# Altium PCB drac_v3.PcbDoc (part 3 of 5)
Units mm, origin at the board's own origin, x right, y up, seen from the top; angles counter-clockwise.
Board outline 160 x 227.5 mm, 6 copper layers (Top Layer, Mid Layer 1_gnd, Mid Layer 2, Mid Layer 3, Mid Layer 4_gnd, Bottom Layer), stack 1.597 mm thick; 492 components, 264 nets, 1625 pads, 1112 vias.
Unrouted connection lines stored in the file: 68.
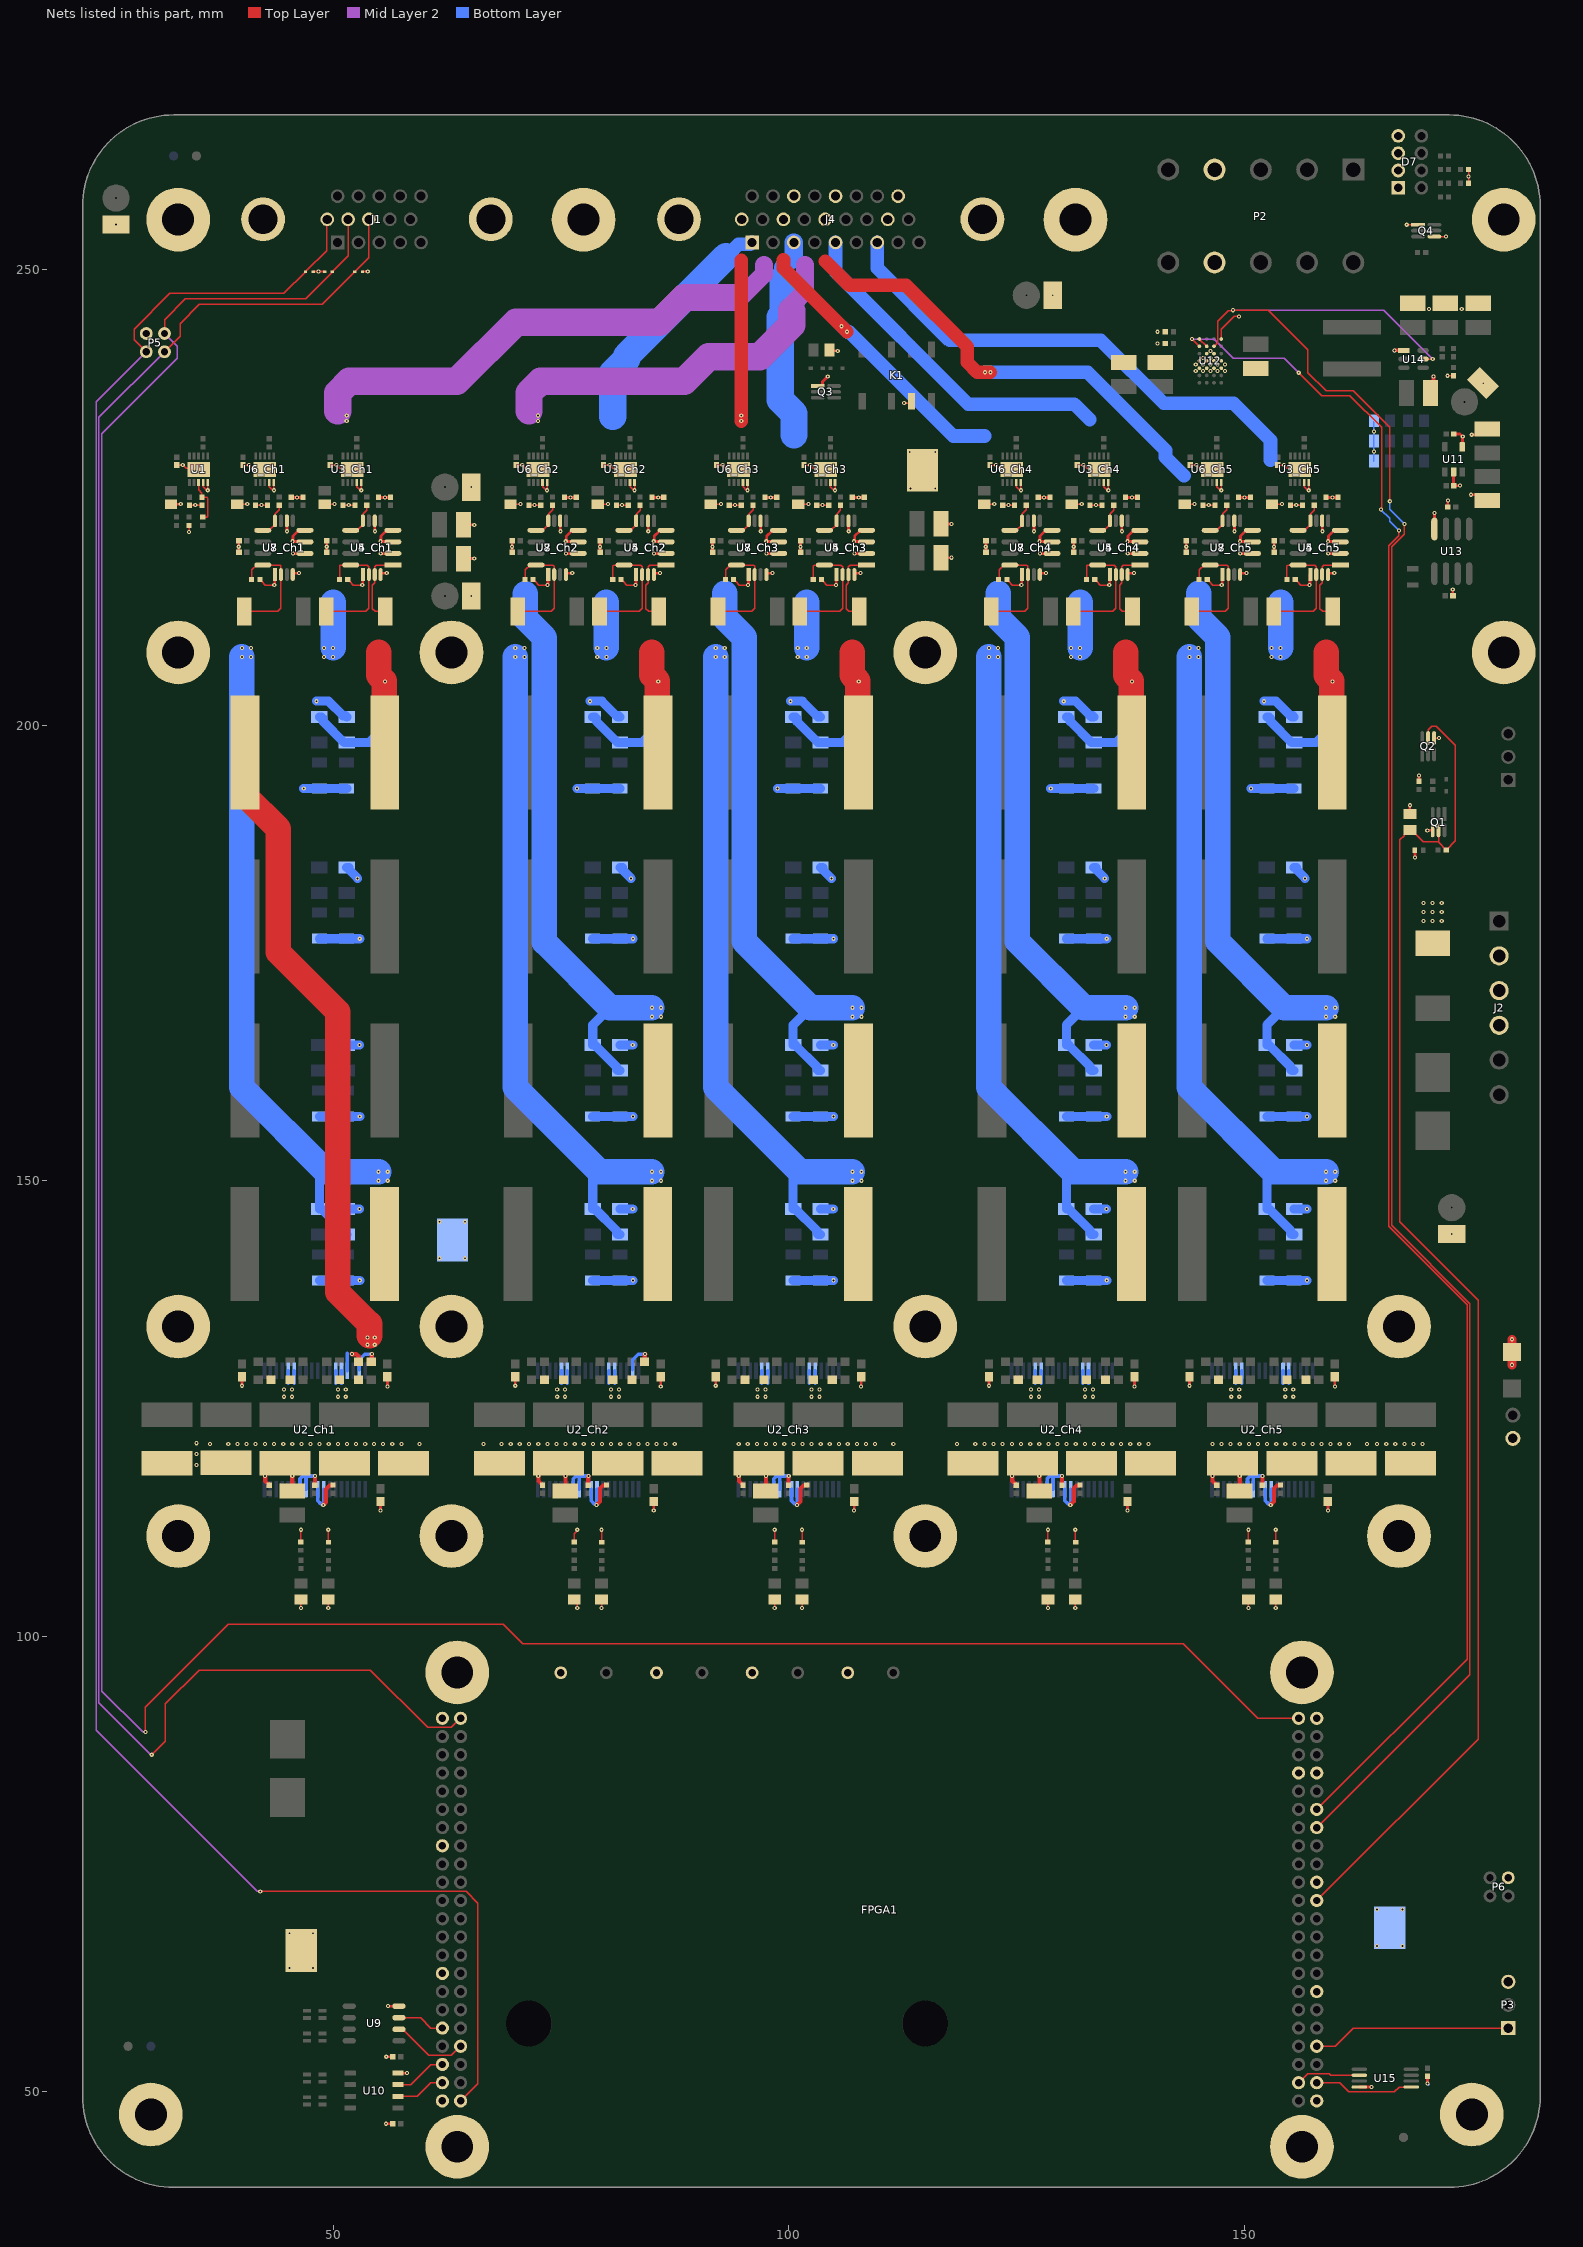
[diagram p7: the nets of this part, all layers, seen from the top]

## Via types
v1: diameter 0.457, hole 0.203, Top Layer to Bottom Layer, tented both sides, 1112 vias

## Nets (pads, with @x,y where several pads share a name; then routed paths per layer and width w, separated by ;. In a path a pad name is that pad's centre, name@x,y a point inside that pad or via, vN(x,y) a via of type N, cw(c..) or ccw(c..) an arc to the next point about the centre after c; other vN are vias at no path point) (continued)
BRAKE2: J4.21 R3_Ch1.2 R18_Ch1.2 U4_Ch1.2 U5_Ch1.8 | length 74.6
  Top Layer w0.152: R3_Ch1.2@49.25,212.5 53.6,212.5 53.925,212.825 U4_Ch1.2@53.925,216.55 53.925,217.425 53.755,217.595 U5_Ch1.8@51.936,217.595 51.932,217.59 50.799,217.59 50.71,217.501 R18_Ch1.2@50.71,216
  Mid Layer 2 w0.25: J4.21@100.386,258.08 J4.21@100.58,258.08
  Mid Layer 2 w2: 94.161,246.95 94.729,246.95 97.3,249.521 97.3,250.5
  Mid Layer 2 w3: 50.5,234.5 50.5,236.475 51.775,237.75 63.583,237.75 70.083,244.25 85.861,244.25 88.561,246.95 94.161,246.95
  Bottom Layer w2.8: v1(50,208.5) 50,213.5
  other v1: 49,207.5 50,207.5 49,208.5 51.5,233.4 51.5,234
BRAKE3: C11_Ch2.2 C15_Ch2.1 J4.23 L3_Ch2.2 | length 104.5
  Top Layer w2.8: L3_Ch2.2@85.6,161.075 L3_Ch2.2@85.675,161
  Mid Layer 2 w0.25: J4.23@104.966,258.08 J4.23@105.16,258.08
  Mid Layer 2 w2: 100.35,245.5 100.35,246.143 101.8,247.593 101.8,250.5
  Mid Layer 2 w3: 71.5,234.5 71.5,236.475 72.775,237.75 88.554,237.75 91.254,240.45 96.854,240.45 100.35,243.946 100.35,245.5
  Bottom Layer w1: 80.399,169 78.5,167.101 C15_Ch2.1@78.5,164.9 78.75,164.9 81.1,162.55 81.1,162.25 81.25,162.1 C11_Ch2.2@81.5,162.1
  Bottom Layer w2.8: 71.073,214.46 71.073,211.76 73.2,209.633 73.2,176.199 80.399,169 v1(85,169)
  other v1: 85,168 86,168 86,169 72.5,233.4 72.5,234
COIL1_N2: J4.1 R3_Ch2.2 R18_Ch2.2 U4_Ch2.2 U5_Ch2.8 | length 45.5
  Top Layer w0.152: R3_Ch2.2@79.25,212.5 83.6,212.5 83.925,212.825 U4_Ch2.2@83.925,216.55 83.925,217.425 83.755,217.595 U5_Ch2.8@81.936,217.595 81.932,217.59 80.799,217.59 80.71,217.501 R18_Ch2.2@80.71,216
  Bottom Layer w1.5: 93.127,251.423 94.501,252.798 95.798,252.798 J4.1@96,253 J4.1@95.925,253
  Bottom Layer w2.8: v1(80,208.5) 80,213.5
  Bottom Layer w3: 80.7,233.9 80.7,238.7 82.25,240.25 82.25,240.546 93.127,251.423
  other v1: 79,207.5 80,207.5 79,208.5
COIL1_N3: J4.3 R3_Ch3.2 R18_Ch3.2 U4_Ch3.2 U5_Ch3.8 | length 41.6
  Top Layer w0.152: R3_Ch3.2@101.25,212.5 105.6,212.5 105.925,212.825 U4_Ch3.2@105.925,216.55 105.925,217.425 105.755,217.595 U5_Ch3.8@103.936,217.595 103.932,217.59 102.799,217.59 102.71,217.501 R18_Ch3.2@102.71,216
  Bottom Layer w2: 99.41,249 99.41,250.262 100.58,251.432 J4.3@100.58,253
  Bottom Layer w2.8: v1(102,208.5) 102,213.5
  Bottom Layer w3: 99.41,249 99.41,245.143 99.071,244.805 99.071,235.729 100.6,234.2 100.6,231.9
  other v1: 101,207.5 102,207.5 101,208.5
COIL1_N4: J4.5 R3_Ch4.2 R18_Ch4.2 U4_Ch4.2 U5_Ch4.8 | length 57.1
  Top Layer w0.152: R3_Ch4.2@131.25,212.5 135.6,212.5 135.925,212.825 U4_Ch4.2@135.925,216.55 135.925,217.425 135.755,217.595 U5_Ch4.8@133.936,217.595 133.932,217.59 132.799,217.59 132.71,217.501 R18_Ch4.2@132.71,216
  Bottom Layer w1.5: J4.5@105.16,253 105.16,249.815 119.725,235.25 131.376,235.25 133.063,233.563
  Bottom Layer w2.8: v1(132,208.5) 132,213.5
  other v1: 131,207.5 132,207.5 131,208.5
COIL1_N5: J4.7 R3_Ch5.2 R18_Ch5.2 U4_Ch5.2 U5_Ch5.8 | length 75.2
  Top Layer w0.152: R3_Ch5.2@153.25,212.5 157.6,212.5 157.925,212.825 U4_Ch5.2@157.925,216.55 157.925,217.425 157.755,217.595 U5_Ch5.8@155.936,217.595 155.932,217.59 154.799,217.59 154.71,217.501 R18_Ch5.2@154.71,216
  Bottom Layer w1.5: J4.7@109.74,253 109.74,250.185 117.675,242.25 134.275,242.25 141.175,235.35 148.846,235.35 152.9,231.296 152.9,229.1
  Bottom Layer w2.8: v1(154,208.5) 154,213.5
  other v1: 153,207.5 154,207.5 153,208.5
COIL2_N3: C11_Ch3.2 C15_Ch3.1 J4.10 L3_Ch3.2 | length 81
  Top Layer w1.5: v1(94.8,233.4) 94.8,251.04
  Top Layer w2.8: L3_Ch3.2@107.6,161.075 L3_Ch3.2@107.675,161
  Bottom Layer w1: 102.399,169 100.5,167.101 C15_Ch3.1@100.5,164.9 100.75,164.9 103.1,162.55 103.1,162.25 103.25,162.1 C11_Ch3.2@103.5,162.1
  Bottom Layer w2.8: 93,214.5 93,211.801 95.127,209.674 95.127,176.272 102.399,169 v1(107,169)
  other v1: 107,168 108,168 108,169 94.8,234
COIL2_N4: C11_Ch4.2 C15_Ch4.1 J4.12 L3_Ch4.2 | length 94.8
  Top Layer w1.5: 99.44,251.1 99.44,250.16 v1(105.8,243.8) v1(106.4,243.2)
  Top Layer w2.8: L3_Ch4.2@137.6,161.075 L3_Ch4.2@137.675,161
  Bottom Layer w1: 132.399,169 130.5,167.101 C15_Ch4.1@130.5,164.9 130.75,164.9 133.1,162.55 133.1,162.25 133.25,162.1 C11_Ch4.2@133.5,162.1
  Bottom Layer w1.5: v1(105.8,243.8) v1(106.4,243.2) 106.625,243.2 118.075,231.75 121.5,231.75
  Bottom Layer w2.8: 123,214.5 123,211.801 125.127,209.674 125.127,176.272 132.399,169 v1(137,169)
  other v1: 137,168 138,168 138,169
COIL2_N5: C11_Ch5.2 C15_Ch5.1 J4.14 L3_Ch5.2 | length 114.5
  Top Layer w1.5: 104.02,250.954 106.687,248.288 112.889,248.288 119.609,241.568 119.609,239.841 120.7,238.75 v1(121.55,238.75) v1(122.15,238.75)
  Top Layer w2.8: L3_Ch5.2@159.6,161.075 L3_Ch5.2@159.675,161
  Bottom Layer w1: 154.399,169 152.5,167.101 C15_Ch5.1@152.5,164.9 152.75,164.9 155.1,162.55 155.1,162.25 155.25,162.1 C11_Ch5.2@155.5,162.1
  Bottom Layer w1.5: v1(121.55,238.75) v1(122.15,238.75) 132.825,238.75 141.375,230.2 141.375,229.425 143.4,227.4
  Bottom Layer w2.8: 145,214.5 145,211.801 147.127,209.674 147.127,176.272 154.399,169 v1(159,169)
  other v1: 159,168 160,168 160,169
dSIB_INT: D9.1 FPGA1.88 J1.8 P5.4 | length 234.4
  Top Layer w0.152: v1(30.1,87) 31.6,88.5 31.6,92.6 35.3,96.3 54.1,96.3 60.4,90 63,90 FPGA1.88@64,91 ; P5.4@31.5,241 33.2,242.7 33.2,244.1 35.3,246.2 48.8,246.2 D9.1@52.39,249.79 ; D9.1@52.4,249.78 53.94,251.32 J1.8@53.94,255.54
  Mid Layer 2 w0.152: v1(30.1,87) 30,87 24.305,92.695 24.305,233.805 P5.4@31.5,241
dSIB_RX: D10.1 FPGA1.43 J1.7 P5.3 | length 325.7
  Top Layer w0.152: v1(29.4,89.5) 29.4,92.2 38.5,101.3 68.7,101.3 70.8,99.2 143.3,99.2 151.5,91 FPGA1.43@155.98,91 ; P5.3@31.5,243 31.5,244.5 33.8,246.8 47,246.8 D10.1@49.987,249.787 ; D10.1@49.92,249.8 49.975,249.8 50.024,249.849 50.024,249.904 51.65,251.53 J1.7@51.65,255.54
  Mid Layer 2 w0.152: v1(29.4,89.5) 29.1,89.5 24.61,93.99 24.61,232.01 32.9,240.3 32.9,241.6 P5.3@31.5,243
dSIB_TX: D11.1 FPGA1.46 J1.6 P5.2 | length 257
  Top Layer w0.152: P5.2@29.5,241 28.2,242.3 28.2,243.5 32.1,247.4 44.6,247.4 D11.1@47,249.8 ; v1(42,72) 64.6,72 65.9,70.7 65.9,50.9 FPGA1.46@64,49 ; D11.1@46.98,249.8 47.035,249.8 47.084,249.849 47.084,249.904 49.28,252.1 49.28,255.46 J1.6@49.36,255.54
  Mid Layer 2 w0.152: P5.2@29.5,241 24,235.5 24,89.7 41.7,72 v1(42,72)
ESPM_POWER_EN: FPGA1.32 U12.B3 U14.5 | length 219.8
  Top Layer w0.14: 147.1,242 147.1,242.7
  Top Layer w0.152: U12.B3@146.7,241.6 147.1,242 ; 147.1,242.7 147.1,244.357 148.239,245.496 148.696,245.496 v1(148.768,245.567) 152.633,245.567 157,241.2 157,238.7 159,236.7 162,236.7 166,232.7 v1(166,224.6) ; FPGA1.32@157.98,79 174.786,95.806 174.786,136.521 166.186,145.121 166.186,219.586 167.597,220.997 v1(167.597,222.1) ; U14.5@169.65,240.2 v1(170.706,240.2)
  Mid Layer 2 w0.152: v1(148.768,245.567) 165.338,245.567 v1(170.706,240.2)
  Bottom Layer w0.152: v1(166,224.6) 166,223.697 v1(167.597,222.1)
ESPM_POWER_GOOD: FPGA1.34 U12.B1 | length 189.4
  Top Layer w0.152: v1(144.3,242.4) U12.B1@145.1,241.6 ; v1(156,238.7) 158.5,236.2 161.625,236.2 165.125,232.7 165.125,223.764 165.036,223.675 v1(165.025,223.675) ; FPGA1.34@157.98,81 174.481,97.501 174.481,136.395 165.881,144.995 165.881,219.712 167,220.831 v1(167,221.4)
  Mid Layer 2 w0.152: v1(144.3,242.4) 146.7,242.4 148.8,240.3 154.4,240.3 v1(156,238.7)
  Bottom Layer w0.152: v1(165.025,223.675) 165.978,222.722 165.978,222.422 v1(167,221.4)
FRONT_PANEL_LED: FPGA1.8 P3.1 | length 21.8
  Top Layer w0.152: FPGA1.8@157.98,55 160,55 162,57 P3.1@179,57
GND: C1.2 C2.2 C3.2 C4.2 C9_Ch1.1 C9_Ch2.1 C9_Ch3.1 C9_Ch4.1 C9_Ch5.1 C10_Ch1.1 C10_Ch2.1 C10_Ch3.1 C10_Ch4.1 C10_Ch5.1 C11_Ch1.1 C11_Ch2.1 C11_Ch3.1 C11_Ch4.1 C11_Ch5.1 C12_Ch1.1 C12_Ch2.1 C12_Ch3.1 C12_Ch4.1 C12_Ch5.1 C17_Ch1.2 C17_Ch2.2 C17_Ch3.2 C17_Ch4.2 C17_Ch5.2 C18_Ch1.2 C18_Ch2.2 C18_Ch3.2 C18_Ch4.2 C18_Ch5.2 C19_Ch1.2 C19_Ch2.2 C19_Ch3.2 C19_Ch4.2 C19_Ch5.2 C20_Ch1.2 C20_Ch2.2 C20_Ch3.2 C20_Ch4.2 C20_Ch5.2 C21_Ch1.2 C21_Ch2.2 C21_Ch3.2 C21_Ch4.2 C21_Ch5.2 C22_Ch1.2 C22_Ch2.2 C22_Ch3.2 C22_Ch4.2 C22_Ch5.2 C23_Ch1.2 C23_Ch2.2 C23_Ch3.2 C23_Ch4.2 C23_Ch5.2 C24_Ch1.2 C24_Ch2.2 C24_Ch3.2 C24_Ch4.2 C24_Ch5.2 C25_Ch1.2 C25_Ch2.2 C25_Ch3.2 C25_Ch4.2 C25_Ch5.2 C26_Ch1.2 C26_Ch2.2 C26_Ch3.2 C26_Ch4.2 C26_Ch5.2 C27_Ch1.2 C27_Ch2.2 C27_Ch3.2 C27_Ch4.2 C27_Ch5.2 C28_Ch1.2 C28_Ch2.2 C28_Ch3.2 C28_Ch4.2 C28_Ch5.2 C29_Ch1.2 C29_Ch2.2 C29_Ch3.2 C29_Ch4.2 C29_Ch5.2 C30_Ch1.2 C30_Ch2.2 C30_Ch3.2 C30_Ch4.2 C30_Ch5.2 C31_Ch1.2 C31_Ch2.2 C31_Ch3.2 C31_Ch4.2 C31_Ch5.2 C32_Ch1.2 C32_Ch2.2 C32_Ch3.2 C32_Ch4.2 C32_Ch5.2 C33_Ch1.2 C33_Ch2.2 C33_Ch3.2 C33_Ch4.2 C33_Ch5.2 C34_Ch1.2 C34_Ch2.2 C34_Ch3.2 C34_Ch4.2 C34_Ch5.2 C35_Ch1.2 C35_Ch2.2 C35_Ch3.2 C35_Ch4.2 C35_Ch5.2 C36_Ch1.2 C36_Ch2.2 C36_Ch3.2 C36_Ch4.2 C36_Ch5.2 C37_Ch1.2 C37_Ch2.2 C37_Ch3.2 C37_Ch4.2 C37_Ch5.2 C38_Ch1.2 C38_Ch2.2 C38_Ch3.2 C38_Ch4.2 C38_Ch5.2 C39_Ch1.2 C39_Ch2.2 C39_Ch3.2 C39_Ch4.2 C39_Ch5.2 C40_Ch1.2 C40_Ch2.2 C40_Ch3.2 C40_Ch4.2 C40_Ch5.2 C41_Ch1.2 C41_Ch2.2 C41_Ch3.2 C41_Ch4.2 C41_Ch5.2 C42_Ch1.2 C42_Ch2.2 C42_Ch3.2 C42_Ch4.2 C42_Ch5.2 C43_Ch1.2 C43_Ch2.2 C43_Ch3.2 C43_Ch4.2 C43_Ch5.2 C44_Ch1.2 C44_Ch2.2 C44_Ch3.2 C44_Ch4.2 C44_Ch5.2 C45.1 C46.1 C47.2 C48.2 C49.2 C50.2 C51.2 C52.2 C53.2 C54.2 C55.1 C56.1 C57.2 C58.1 C59.1 C61.2 C62.2 C63.2 C64.2 C65.2 C66.2 C67.2 C68.2 C69.2 C70.2 C71.2 C72.2 C73.2 C74.2 C75.2 C76.2 C77.2 C78.2 C80.2 D1_Ch1.2 D1_Ch2.2 D1_Ch3.2 D1_Ch4.2 D1_Ch5.2 D2_Ch1.2 D2_Ch2.2 D2_Ch3.2 D2_Ch4.2 D2_Ch5.2 D3.2 D4.2 D7.1 D7.3 D7.5 D7.7 D9.2 D10.2 D11.2 D12.2 FPGA1.2 FPGA1.14 FPGA1.26 FPGA1.37 FPGA1.38 FPGA1.44 FPGA1.45 FPGA1.59 FPGA1.73 FPGA1.87 J1.M1 J1.M2 J2.2 J2.3 J2.4 J3.2 J4.17 J4.26 J4.M1 J4.M2 K1.3 P2.4 P2.9 P3.3 P5.1 P6.1 pad.1@30,47.5 pad.1@33,111 pad.1@33,134 pad.1@33,208 pad.1@33,255.5 pad.1@63,111 pad.1@63,134 pad.1@63,208 pad.1@63.635,43.965 pad.1@63.635,96.035 pad.1@77.5,255.5 pad.1@115,111 pad.1@115,134 pad.1@115,208 pad.1@131.5,255.5 pad.1@156.345,43.965 pad.1@156.345,96.035 pad.1@167,111 pad.1@167,134 pad.1@175,47.5 pad.1@178.5,208 pad.1@178.5,255.5 Q1.4 Q2.4 Q3.1 Q4.1 Q4.4 R5_Ch1.2 R5_Ch2.2 R5_Ch3.2 R5_Ch4.2 R5_Ch5.2 R6_Ch1.1 R6_Ch2.1 R6_Ch3.1 R6_Ch4.1 R6_Ch5.1 R7_Ch1.1 R7_Ch2.1 R7_Ch3.1 R7_Ch4.1 R7_Ch5.1 R10_Ch1.1 R10_Ch2.1 R10_Ch3.1 R10_Ch4.1 R10_Ch5.1 R11_Ch1.1 R11_Ch2.1 R11_Ch3.1 R11_Ch4.1 R11_Ch5.1 R12_Ch1.1 R12_Ch2.1 R12_Ch3.1 R12_Ch4.1 R12_Ch5.1 R13_Ch1.1 R13_Ch2.1 R13_Ch3.1 R13_Ch4.1 R13_Ch5.1 R14_Ch1.1 R14_Ch2.1 R14_Ch3.1 R14_Ch4.1 R14_Ch5.1 R15_Ch1.1 R15_Ch2.1 R15_Ch3.1 R15_Ch4.1 R15_Ch5.1 R16_Ch1.1 R16_Ch2.1 R16_Ch3.1 R16_Ch4.1 R16_Ch5.1 R17_Ch1.1 R17_Ch2.1 R17_Ch3.1 R17_Ch4.1 R17_Ch5.1 R18_Ch1.1 R18_Ch2.1 R18_Ch3.1 R18_Ch4.1 R18_Ch5.1 R19_Ch1.1 R19_Ch2.1 R19_Ch3.1 R19_Ch4.1 R19_Ch5.1 R25.1 R26.1 R27.2 R29.1 R31.1 R34.1 R38.1 R42.1 R43.1 R44.1 R46.1 R47.1 TP1.2 TP2.2 TP3.2 TP4.2 TP5.2 TP6.2 TP7.1 TP8.1 TP9.1 TP10.1 U1.4 U1.5 U1.11 U2_Ch1.8 U2_Ch1.9 U2_Ch1.11 U2_Ch1.12 U2_Ch1.23 U2_Ch1.24 U2_Ch1.31 U2_Ch1.32 U2_Ch2.8 U2_Ch2.9 U2_Ch2.11 U2_Ch2.12 U2_Ch2.23 U2_Ch2.24 U2_Ch2.31 U2_Ch2.32 U2_Ch3.8 U2_Ch3.9 U2_Ch3.11 U2_Ch3.12 U2_Ch3.23 U2_Ch3.24 U2_Ch3.31 U2_Ch3.32 U2_Ch4.8 U2_Ch4.9 U2_Ch4.11 U2_Ch4.12 U2_Ch4.23 U2_Ch4.24 U2_Ch4.31 U2_Ch4.32 U2_Ch5.8 U2_Ch5.9 U2_Ch5.11 U2_Ch5.12 U2_Ch5.23 U2_Ch5.24 U2_Ch5.31 U2_Ch5.32 U3_Ch1.4 U3_Ch1.5 U3_Ch1.11 U3_Ch2.4 U3_Ch2.5 U3_Ch2.11 U3_Ch3.4 U3_Ch3.5 U3_Ch3.11 U3_Ch4.4 U3_Ch4.5 U3_Ch4.11 U3_Ch5.4 U3_Ch5.5 U3_Ch5.11 U4_Ch1.1 U4_Ch1.4 U4_Ch1.6 U4_Ch2.1 U4_Ch2.4 U4_Ch2.6 U4_Ch3.1 U4_Ch3.4 U4_Ch3.6 U4_Ch4.1 U4_Ch4.4 U4_Ch4.6 U4_Ch5.1 U4_Ch5.4 U4_Ch5.6 U5_Ch1.2 U5_Ch1.3 U5_Ch1.4 U5_Ch2.2 U5_Ch2.3 U5_Ch2.4 U5_Ch3.2 U5_Ch3.3 U5_Ch3.4 U5_Ch4.2 U5_Ch4.3 U5_Ch4.4 U5_Ch5.2 U5_Ch5.3 U5_Ch5.4 U6_Ch1.4 U6_Ch1.5 U6_Ch1.11 U6_Ch2.4 U6_Ch2.5 U6_Ch2.11 U6_Ch3.4 U6_Ch3.5 U6_Ch3.11 U6_Ch4.4 U6_Ch4.5 U6_Ch4.11 U6_Ch5.4 U6_Ch5.5 U6_Ch5.11 U7_Ch1.1 U7_Ch1.4 U7_Ch1.6 U7_Ch2.1 U7_Ch2.4 U7_Ch2.6 U7_Ch3.1 U7_Ch3.4 U7_Ch3.6 U7_Ch4.1 U7_Ch4.4 U7_Ch4.6 U7_Ch5.1 U7_Ch5.4 U7_Ch5.6 U8_Ch1.2 U8_Ch1.3 U8_Ch1.4 U8_Ch2.2 U8_Ch2.3 U8_Ch2.4 U8_Ch3.2 U8_Ch3.3 U8_Ch3.4 U8_Ch4.2 U8_Ch4.3 U8_Ch4.4 U8_Ch5.2 U8_Ch5.3 U8_Ch5.4 U9.4 U10.4 U11.2 U11.4 U12.A1 U12.A4 U12.B2 U12.C2 U12.C3 U12.D1 U12.D2 U12.D3 U12.D4 U12.E1 U12.E2 U12.E3 U12.E4 U13.4 U14.1 U15.4 | length 530.2
  Top Layer w0.152: C1.2@32.837,228.571 v1(33.508,228.571) 33.858,228.222 35.115,228.222 U1.11@35.237,228.1 ; v1(34.2,221.2) R25.1@34.2,221.948 ; C2.2@34.237,224.171 v1(34.871,224.171) C3.2@35.6,224.171 ; U1.4@35.737,226.698 35.737,226.179 36.116,225.8 v1(36.237,225.8) U1.5@36.237,226.698 ; C41_Ch1.2@39.47,224.274 v1(40.574,224.274) ; C36_Ch1.2@40.1,228.571 v1(40.771,228.571) 41.121,228.222 42.378,228.222 U6_Ch1.11@42.5,228.1 ; C37_Ch1.2@41.5,224.171 v1(42.129,224.171) C40_Ch1.2@42.8,224.171 ; R19_Ch1.1@41.964,216 R19_Ch1.1@41.964,216 42.175,215.787 42.177,215.787 42.564,215.4 v1(43.55,215.4) ; U6_Ch1.4@43,226.698 43,226.179 43.379,225.8 v1(43.5,225.8) U6_Ch1.5@43.5,226.698 ; v1(46.475,103.102) R7_Ch1.1@46.475,104.026 ; D2_Ch1.2@46.475,110.352 v1(46.475,111.702) ; C27_Ch1.2@49.07,224.274 v1(50.174,224.274) ; v1(49.475,103.102) R6_Ch1.1@49.475,104.026 ; v1(49.475,111.702) 49.475,110.327 D1_Ch1.2@49.5,110.302 ; C19_Ch1.2@49.7,228.571 v1(50.371,228.571) 50.721,228.222 51.978,228.222 U3_Ch1.11@52.1,228.1 ; C20_Ch1.2@51.1,224.171 v1(51.729,224.171) C26_Ch1.2@52.4,224.171 ; R18_Ch1.1@51.614,216 R18_Ch1.1@51.614,216 51.825,215.787 51.827,215.787 52.214,215.4 v1(53.2,215.4) ; U3_Ch1.4@52.6,226.698 52.6,226.179 52.979,225.8 v1(53.1,225.8) U3_Ch1.5@53.1,226.698 ; C41_Ch2.2@69.47,224.274 v1(70.574,224.274) ; C36_Ch2.2@70.1,228.571 v1(70.771,228.571) 71.121,228.222 72.378,228.222 U6_Ch2.11@72.5,228.1 ; C37_Ch2.2@71.5,224.171 v1(72.129,224.171) C40_Ch2.2@72.8,224.171 ; R19_Ch2.1@71.964,216 R19_Ch2.1@71.964,216 72.175,215.787 72.177,215.787 72.564,215.4 v1(73.55,215.4) ; U6_Ch2.4@73,226.698 73,226.179 73.379,225.8 v1(73.5,225.8) U6_Ch2.5@73.5,226.698 ; R7_Ch2.1@76.475,104.026 76.803,103.698 v1(76.803,103.102) ; D2_Ch2.2@76.475,110.352 76.475,111.283 76.803,111.611 v1(76.803,111.702) ; C27_Ch2.2@79.07,224.274 v1(80.174,224.274) ; v1(79.475,103.102) R6_Ch2.1@79.475,104.026 ; v1(79.475,111.702) 79.475,110.327 D1_Ch2.2@79.5,110.302 ; C19_Ch2.2@79.7,228.571 v1(80.371,228.571) 80.721,228.222 81.978,228.222 U3_Ch2.11@82.1,228.1 ; C20_Ch2.2@81.1,224.171 v1(81.729,224.171) C26_Ch2.2@82.4,224.171 ; R18_Ch2.1@81.614,216 R18_Ch2.1@81.614,216 81.825,215.787 81.827,215.787 82.214,215.4 v1(83.2,215.4) ; U3_Ch2.4@82.6,226.698 82.6,226.179 82.979,225.8 v1(83.1,225.8) U3_Ch2.5@83.1,226.698 ; C41_Ch3.2@91.47,224.274 v1(92.574,224.274) ; C36_Ch3.2@92.1,228.571 v1(92.771,228.571) 93.121,228.222 94.378,228.222 U6_Ch3.11@94.5,228.1 ; C37_Ch3.2@93.5,224.171 v1(94.129,224.171) C40_Ch3.2@94.8,224.171 ; R19_Ch3.1@93.964,216 R19_Ch3.1@93.964,216 94.175,215.787 94.177,215.787 94.564,215.4 v1(95.55,215.4) ; U6_Ch3.4@95,226.698 95,226.179 95.379,225.8 v1(95.5,225.8) U6_Ch3.5@95.5,226.698 ; v1(98.475,103.102) R7_Ch3.1@98.475,104.026 ; D2_Ch3.2@98.475,110.352 v1(98.475,111.702) ; C27_Ch3.2@101.07,224.274 v1(102.174,224.274) ; v1(101.475,103.102) R6_Ch3.1@101.475,104.026 ; v1(101.475,111.702) 101.475,110.327 D1_Ch3.2@101.5,110.302 ; C19_Ch3.2@101.7,228.571 v1(102.371,228.571) 102.721,228.222 103.978,228.222 U3_Ch3.11@104.1,228.1 ; C20_Ch3.2@103.1,224.171 v1(103.729,224.171) C26_Ch3.2@104.4,224.171 ; R18_Ch3.1@103.614,216 R18_Ch3.1@103.614,216 103.825,215.787 103.827,215.787 104.214,215.4 v1(105.2,215.4) ; U3_Ch3.4@104.6,226.698 104.6,226.179 104.979,225.8 v1(105.1,225.8) U3_Ch3.5@105.1,226.698 ; v1(112.69,235.372) 113.322,235.372 K1.3@113.5,235.55 ; C41_Ch4.2@121.47,224.274 v1(122.574,224.274) ; C36_Ch4.2@122.1,228.571 v1(122.771,228.571) 123.121,228.222 124.378,228.222 U6_Ch4.11@124.5,228.1 ; C37_Ch4.2@123.5,224.171 v1(124.129,224.171) C40_Ch4.2@124.8,224.171 ; R19_Ch4.1@123.964,216 R19_Ch4.1@123.964,216 124.175,215.787 124.177,215.787 124.564,215.4 v1(125.55,215.4) ; U6_Ch4.4@125,226.698 125,226.179 125.379,225.8 v1(125.5,225.8) U6_Ch4.5@125.5,226.698 ; v1(128.475,103.102) R7_Ch4.1@128.475,104.026 ; D2_Ch4.2@128.475,110.352 v1(128.475,111.702) ; C27_Ch4.2@131.07,224.274 v1(132.174,224.274) ; v1(131.475,103.102) R6_Ch4.1@131.475,104.026 ; v1(131.475,111.702) 131.475,110.327 D1_Ch4.2@131.5,110.302 ; C19_Ch4.2@131.7,228.571 v1(132.371,228.571) 132.721,228.222 133.978,228.222 U3_Ch4.11@134.1,228.1 ; C20_Ch4.2@133.1,224.171 v1(133.729,224.171) C26_Ch4.2@134.4,224.171 ; R18_Ch4.1@133.614,216 R18_Ch4.1@133.614,216 133.825,215.787 133.827,215.787 134.214,215.4 v1(135.2,215.4) ; U3_Ch4.4@134.6,226.698 134.6,226.179 134.979,225.8 v1(135.1,225.8) U3_Ch4.5@135.1,226.698 ; C41_Ch5.2@143.47,224.274 v1(144.574,224.274) ; C36_Ch5.2@144.1,228.571 v1(144.771,228.571) 145.121,228.222 146.378,228.222 U6_Ch5.11@146.5,228.1 ; U12.A1@145.1,242.4 U12.B2@145.9,241.6 ; C37_Ch5.2@145.5,224.171 v1(146.129,224.171) C40_Ch5.2@146.8,224.171 ; R19_Ch5.1@145.964,216 R19_Ch5.1@145.964,216 146.175,215.787 146.177,215.787 146.564,215.4 v1(147.55,215.4) ; U6_Ch5.4@147,226.698 147,226.179 147.379,225.8 v1(147.5,225.8) U6_Ch5.5@147.5,226.698 ; U12.A4@147.5,242.4 147.5,243.487 148.895,244.881 v1(149.428,244.881) ; v1(150.475,103.102) R7_Ch5.1@150.475,104.026 ; D2_Ch5.2@150.475,110.352 v1(150.475,111.702) ; C27_Ch5.2@153.07,224.274 v1(154.174,224.274) ; v1(153.475,103.102) R6_Ch5.1@153.475,104.026 ; v1(153.475,111.702) 153.475,110.327 D1_Ch5.2@153.5,110.302 ; C19_Ch5.2@153.7,228.571 v1(154.371,228.571) 154.721,228.222 155.978,228.222 U3_Ch5.11@156.1,228.1 ; C20_Ch5.2@155.1,224.171 v1(155.729,224.171) C26_Ch5.2@156.4,224.171 ; R18_Ch5.1@155.614,216 R18_Ch5.1@155.614,216 155.825,215.787 155.827,215.787 156.214,215.4 v1(157.2,215.4) ; U3_Ch5.4@156.6,226.698 156.6,226.179 156.979,225.8 v1(157.1,225.8) U3_Ch5.5@157.1,226.698 ; v1(167.85,254.95) Q4.1@169.099,254.95 ; Q2.4@170.85,198.601 v1(171.399,198.601) ; Q4.4@170.901,253.65 v1(172.15,253.65) ; v1(172.326,238.374) R29.1@173,238.374 ; R47.1@174.652,259.5 R46.1@174.652,261
  Top Layer w0.2: D11.2@47.82,249.8 v1(48.4,249.8) D10.2@49.08,249.8 ; D9.2@53.22,249.8 v1(53.8,249.8)
  Top Layer w0.3: C4.2@32.207,224.274 v1(33.274,224.274) ; C35_Ch1.2@39.671,219 39.661,219.011 39.661,219.589 v1(39.65,219.6) 39.661,219.611 39.661,220.239 C34_Ch1.2@39.671,220.25 ; v1(40,127.5) C21_Ch1.2@40,128.498 ; v1(43.55,215.4) 43.596,215.446 43.596,216.521 U7_Ch1.1@43.625,216.55 ; U7_Ch1.6@44.925,222.45 44.937,222.438 44.937,221.312 v1(44.95,221.3) ; C42_Ch1.2@45.35,225.029 45.379,225 v1(46.05,225) 46.064,225.014 C33_Ch1.2@46.7,225.014 ; U7_Ch1.4@45.575,216.55 45.575,216.631 45.644,216.7 v1(46.25,216.7) ; v1(45.585,218.865) U8_Ch1.2@46.914,218.865 ; U8_Ch1.3@46.914,220.135 46.881,220.167 45.582,220.167 v1(45.55,220.2) 45.607,220.257 45.607,220.762 46.171,221.326 46.835,221.326 U8_Ch1.4@46.914,221.405 ; C44_Ch1.2@49.321,219 49.311,219.011 49.311,219.589 v1(49.3,219.6) 49.311,219.611 49.311,220.239 C43_Ch1.2@49.321,220.25 ; v1(53.2,215.4) 53.246,215.446 53.246,216.521 U4_Ch1.1@53.275,216.55 ; U4_Ch1.6@54.575,222.45 54.588,222.438 54.588,221.312 v1(54.6,221.3) ; C28_Ch1.2@55,225.029 55.014,225.014 55.686,225.014 v1(55.7,225) 55.714,225.014 56.286,225.014 C18_Ch1.2@56.3,225.029 ; v1(55.2,113.8) C23_Ch1.2@55.2,114.798 ; U4_Ch1.4@55.225,216.55 55.225,216.631 55.294,216.7 v1(55.9,216.7) ; v1(55.235,218.865) U5_Ch1.2@56.564,218.865 ; v1(55.8,46.5) C46.1@56.571,46.5 ; v1(55.843,53.843) C45.1@56.571,53.843 ; v1(55.964,127.436) C22_Ch1.2@55.964,128.498 ; v1(56.045,59.405) U9.4@57.225,59.405 ; U5_Ch1.3@56.564,220.135 56.531,220.167 55.232,220.167 v1(55.2,220.2) 55.257,220.257 55.257,220.762 55.821,221.326 56.485,221.326 U5_Ch1.4@56.564,221.405 ; U10.4@57.125,52.048 v1(58.127,52.048) ; C49.2@64.325,218.3 v1(65.5,218.3) ; C50.2@64.325,222 v1(65.5,222) ; C35_Ch2.2@69.671,219 69.661,219.011 69.661,219.589 v1(69.65,219.6) 69.661,219.611 69.661,220.239 C34_Ch2.2@69.671,220.25 ; v1(70,127.5) C21_Ch2.2@70,128.498 ; v1(73.55,215.4) 73.596,215.446 73.596,216.521 U7_Ch2.1@73.625,216.55 ; U7_Ch2.6@74.925,222.45 74.937,222.438 74.937,221.312 v1(74.95,221.3) ; C42_Ch2.2@75.35,225.029 75.379,225 v1(76.05,225) 76.064,225.014 C33_Ch2.2@76.7,225.014 ; U7_Ch2.4@75.575,216.55 75.575,216.631 75.644,216.7 v1(76.25,216.7) ; v1(75.585,218.865) U8_Ch2.2@76.914,218.865 ; U8_Ch2.3@76.914,220.135 76.881,220.167 75.582,220.167 v1(75.55,220.2) 75.607,220.257 75.607,220.762 76.171,221.326 76.835,221.326 U8_Ch2.4@76.914,221.405 ; C44_Ch2.2@79.321,219 79.311,219.011 79.311,219.589 v1(79.3,219.6) 79.311,219.611 79.311,220.239 C43_Ch2.2@79.321,220.25 ; v1(83.2,215.4) 83.246,215.446 83.246,216.521 U4_Ch2.1@83.275,216.55 ; U4_Ch2.6@84.575,222.45 84.587,222.438 84.587,221.312 v1(84.6,221.3) ; C28_Ch2.2@85,225.029 85.014,225.014 85.686,225.014 v1(85.7,225) 85.714,225.014 86.286,225.014 C18_Ch2.2@86.3,225.029 ; v1(85.2,113.8) C23_Ch2.2@85.2,114.798 ; U4_Ch2.4@85.225,216.55 85.225,216.631 85.294,216.7 v1(85.9,216.7) ; v1(85.235,218.865) U5_Ch2.2@86.564,218.865 ; v1(85.964,127.436) C22_Ch2.2@85.964,128.498 ; U5_Ch2.3@86.564,220.135 86.531,220.167 85.232,220.167 v1(85.2,220.2) 85.257,220.257 85.257,220.762 85.821,221.326 86.485,221.326 U5_Ch2.4@86.564,221.405 ; C35_Ch3.2@91.671,219 91.661,219.011 91.661,219.589 v1(91.65,219.6) 91.661,219.611 91.661,220.239 C34_Ch3.2@91.671,220.25 ; v1(92,127.5) C21_Ch3.2@92,128.498 ; v1(95.55,215.4) 95.596,215.446 95.596,216.521 U7_Ch3.1@95.625,216.55 ; U7_Ch3.6@96.925,222.45 96.937,222.438 96.937,221.312 v1(96.95,221.3) ; C42_Ch3.2@97.35,225.029 97.379,225 v1(98.05,225) 98.064,225.014 C33_Ch3.2@98.7,225.014 ; U7_Ch3.4@97.575,216.55 97.575,216.631 97.644,216.7 v1(98.25,216.7) ; v1(97.585,218.865) U8_Ch3.2@98.914,218.865 ; U8_Ch3.3@98.914,220.135 98.881,220.167 97.582,220.167 v1(97.55,220.2) 97.607,220.257 97.607,220.762 98.171,221.326 98.835,221.326 U8_Ch3.4@98.914,221.405 ; C44_Ch3.2@101.321,219 101.311,219.011 101.311,219.589 v1(101.3,219.6) 101.311,219.611 101.311,220.239 C43_Ch3.2@101.321,220.25 ; Q3.1@103.199,237.25 103.68,237.25 103.736,237.306 103.736,237.711 v1(104.3,238.275) ; R38.1@104.476,241.2 104.576,241.1 v1(105.4,241.1) ; v1(105.2,215.4) 105.246,215.446 105.246,216.521 U4_Ch3.1@105.275,216.55 ; U4_Ch3.6@106.575,222.45 106.587,222.438 106.587,221.312 v1(106.6,221.3) ; C28_Ch3.2@107,225.029 107.014,225.014 107.686,225.014 v1(107.7,225) 107.714,225.014 108.286,225.014 C18_Ch3.2@108.3,225.029 ; v1(107.2,113.8) C23_Ch3.2@107.2,114.798 ; U4_Ch3.4@107.225,216.55 107.225,216.631 107.294,216.7 v1(107.9,216.7) ; v1(107.235,218.865) U5_Ch3.2@108.564,218.865 ; v1(107.964,127.436) C22_Ch3.2@107.964,128.498 ; U5_Ch3.3@108.564,220.135 108.531,220.167 107.232,220.167 v1(107.2,220.2) 107.257,220.257 107.257,220.762 107.821,221.326 108.485,221.326 U5_Ch3.4@108.564,221.405 ; C51.2@116.725,218.4 v1(117.9,218.4) ; C52.2@116.725,222.1 v1(117.9,222.1) ; C35_Ch4.2@121.671,219 121.661,219.011 121.661,219.589 v1(121.65,219.6) 121.661,219.611 121.661,220.239 C34_Ch4.2@121.671,220.25 ; v1(122,127.5) C21_Ch4.2@122,128.498 ; v1(125.55,215.4) 125.596,215.446 125.596,216.521 U7_Ch4.1@125.625,216.55 ; U7_Ch4.6@126.925,222.45 126.937,222.438 126.937,221.312 v1(126.95,221.3) ; C42_Ch4.2@127.35,225.029 127.379,225 v1(128.05,225) 128.064,225.014 C33_Ch4.2@128.7,225.014 ; U7_Ch4.4@127.575,216.55 127.575,216.631 127.644,216.7 v1(128.25,216.7) ; v1(127.585,218.865) U8_Ch4.2@128.914,218.865 ; U8_Ch4.3@128.914,220.135 128.881,220.167 127.582,220.167 v1(127.55,220.2) 127.607,220.257 127.607,220.762 128.171,221.326 128.835,221.326 U8_Ch4.4@128.914,221.405 ; C44_Ch4.2@131.321,219 131.311,219.011 131.311,219.589 v1(131.3,219.6) 131.311,219.611 131.311,220.239 C43_Ch4.2@131.321,220.25 ; v1(135.2,215.4) 135.246,215.446 135.246,216.521 U4_Ch4.1@135.275,216.55 ; U4_Ch4.6@136.575,222.45 136.587,222.438 136.587,221.312 v1(136.6,221.3) ; C28_Ch4.2@137,225.029 137.014,225.014 137.686,225.014 v1(137.7,225) 137.714,225.014 138.286,225.014 C18_Ch4.2@138.3,225.029 ; v1(137.2,113.8) C23_Ch4.2@137.2,114.798 ; U4_Ch4.4@137.225,216.55 137.225,216.631 137.294,216.7 v1(137.9,216.7) ; v1(137.235,218.865) U5_Ch4.2@138.564,218.865 ; v1(137.964,127.436) C22_Ch4.2@137.964,128.498 ; U5_Ch4.3@138.564,220.135 138.531,220.167 137.232,220.167 v1(137.2,220.2) 137.257,220.257 137.257,220.762 137.821,221.326 138.485,221.326 U5_Ch4.4@138.564,221.405 ; C35_Ch5.2@143.671,219 143.661,219.011 143.661,219.589 v1(143.65,219.6) 143.661,219.611 143.661,220.239 C34_Ch5.2@143.671,220.25 ; v1(144,127.5) C21_Ch5.2@144,128.498 ; v1(147.55,215.4) 147.596,215.446 147.596,216.521 U7_Ch5.1@147.625,216.55 ; U7_Ch5.6@148.925,222.45 148.937,222.438 148.937,221.312 v1(148.95,221.3) ; C42_Ch5.2@149.35,225.029 149.379,225 v1(150.05,225) 150.064,225.014 C33_Ch5.2@150.7,225.014 ; U7_Ch5.4@149.575,216.55 149.575,216.631 149.644,216.7 v1(150.25,216.7) ; v1(149.585,218.865) U8_Ch5.2@150.914,218.865 ; U8_Ch5.3@150.914,220.135 150.881,220.167 149.582,220.167 v1(149.55,220.2) 149.607,220.257 149.607,220.762 150.171,221.326 150.835,221.326 U8_Ch5.4@150.914,221.405 ; C44_Ch5.2@153.321,219 153.311,219.011 153.311,219.589 v1(153.3,219.6) 153.311,219.611 153.311,220.239 C43_Ch5.2@153.321,220.25 ; v1(157.2,215.4) 157.246,215.446 157.246,216.521 U4_Ch5.1@157.275,216.55 ; U4_Ch5.6@158.575,222.45 158.587,222.438 158.587,221.312 v1(158.6,221.3) ; C28_Ch5.2@159,225.029 159.014,225.014 159.686,225.014 v1(159.7,225) 159.714,225.014 160.286,225.014 C18_Ch5.2@160.3,225.029 ; v1(159.2,113.8) C23_Ch5.2@159.2,114.798 ; U4_Ch5.4@159.225,216.55 159.225,216.631 159.294,216.7 v1(159.9,216.7) ; v1(159.235,218.865) U5_Ch5.2@160.564,218.865 ; v1(159.964,127.436) C22_Ch5.2@159.964,128.498 ; U5_Ch5.3@160.564,220.135 160.531,220.167 159.232,220.167 v1(159.2,220.2) 159.257,220.257 159.257,220.762 159.821,221.326 160.485,221.326 U5_Ch5.4@160.564,221.405 ; U15.4@162.65,50.525 v1@163.975,50.525 ; R31.1@168.2,190.276 v1(168.2,191.225) ; v1(168.75,185.5) D4.2@168.75,186.3 ; R34.1@169.2,193.852 v1(169.2,194.5) ; v1(170.116,188.466) Q1.4@170.7,188.466 ; v1(170.133,50.917) C80.2@170.133,51.714 ; U13.4@170.895,221.55 170.897,221.552 170.897,223.297 v1(170.9,223.3) ; C58.1@172.371,223.977 v1(172.371,224.671) ; v1(172.9,214.9) 172.914,214.886 172.914,214.237 C59.1@172.929,214.223 ; C55.1@172.99,226.3 172.99,227.815 U11.2@173,227.825 ; C55.1@173.014,226.286 C55.1@173.029,226.3 173.033,226.305 173.705,226.305 v1(173.709,226.309) ; C56.1@173.029,231.977 173.686,231.977 173.963,231.7 v1(174,231.7) 173.975,231.675 173.975,230.6 U11.4@173.95,230.575 ; v1(174.9,225.3) 176.054,225.3 C47.2@176.679,224.675 ; v1(175,231.9) 176.075,231.9 C48.2@176.7,232.525